# KiCad board RoRo80.kicad_pcb
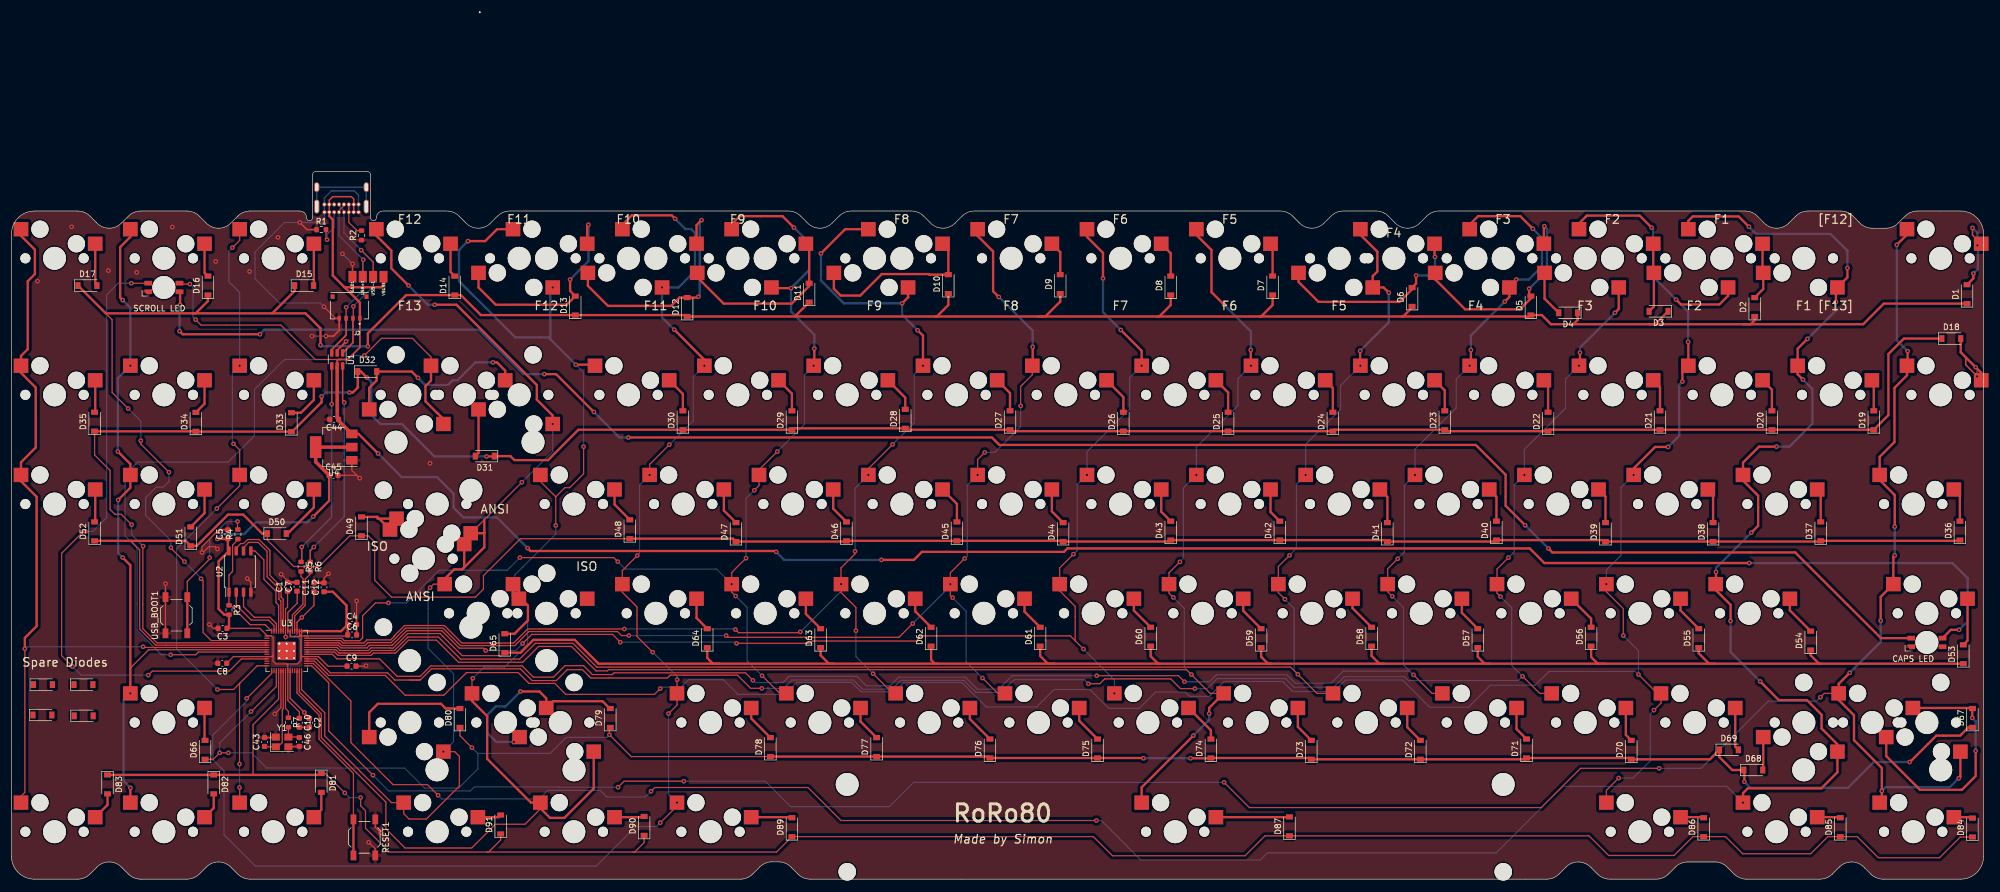
[diagram p0: board, top side]
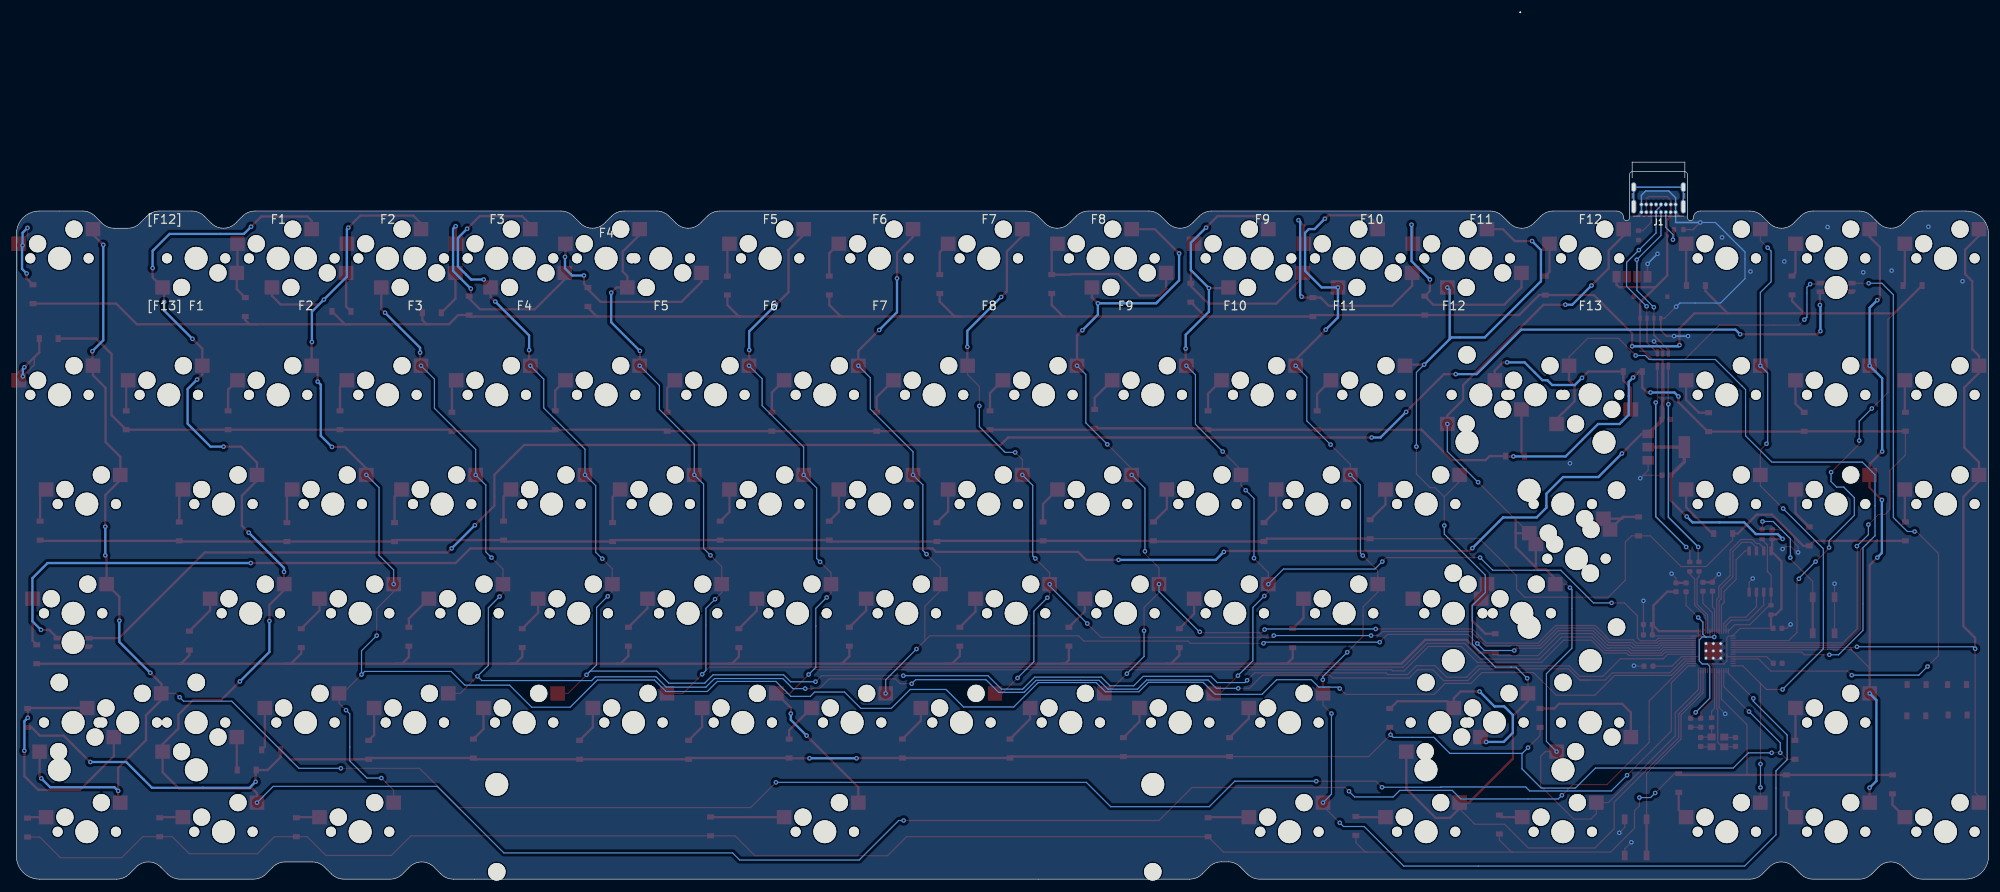
[diagram p1: board, bottom side, seen from below]

Outline 343.61 x 123.43 mm; copper layers: Top, Bottom. Coordinates in mm from the lower left corner of the outline.
Outline path: 0,112.53 arc(1.17,115.36) 4,116.53 11.52,116.53 arc(12.7,116.3) 13.69,115.63 14.76,114.56 arc(16.93,113.53) 19.16,114.43 20.37,115.63 arc(21.36,116.3) 22.54,116.53 30.57,116.53 arc(31.75,116.3) 32.74,115.63 33.81,114.56 arc(35.98,113.53) 38.21,114.43 39.42,115.63 arc(40.41,116.3) 41.59,116.53 50.22,116.53 arc(51.07,116.18) 51.43,115.33 arc(51.93,114.83) 52.43,115.33 52.43,122.82 arc(52.6,123.25) 53.04,123.43 61.98,123.43 arc(62.4,123.26) 62.57,122.84 62.57,115.33 arc(63.07,114.83) 63.57,115.33 arc(63.92,116.18) 64.78,116.53 75.83,116.53 arc(77.01,116.3) 78,115.63 79.07,114.56 arc(81.24,113.53) 83.47,114.43 84.68,115.63 arc(85.67,116.3) 86.85,116.53 135.35,116.53 arc(136.52,116.3) 137.52,115.63 138.59,114.56 arc(140.76,113.53) 142.99,114.43 144.19,115.63 arc(145.19,116.3) 146.36,116.53 156.78,116.53 arc(157.95,116.3) 158.95,115.63 160.02,114.56 arc(162.19,113.53) 164.42,114.43 165.63,115.63 arc(166.62,116.3) 167.79,116.53 221.06,116.53 arc(222.23,116.3) 223.23,115.63 224.3,114.56 arc(226.47,113.53) 228.7,114.43 229.91,115.63 arc(230.9,116.3) 232.07,116.53 237.74,116.53 arc(238.91,116.3) 239.91,115.63 240.98,114.56 arc(243.15,113.53) 245.38,114.43 246.59,115.63 arc(247.58,116.3) 248.76,116.53 302.04,116.53 arc(303.21,116.3) 304.2,115.63 305.27,114.56 arc(307.44,113.53) 309.68,114.43 310.88,115.63 arc(311.88,116.3) 313.05,116.53 318.71,116.53 arc(319.88,116.3) 320.88,115.63 321.91,114.6 arc(322.94,113.81) 324.21,113.53 326.59,113.53 arc(327.72,113.75) 328.68,114.39 329.93,115.63 arc(330.93,116.3) 332.1,116.53 336.11,116.53 339.61,116.53 arc(342.44,115.36) 343.61,112.53 343.61,4 arc(342.44,1.17) 339.61,0 326.12,0 arc(324.94,0.23) 323.95,0.9 322.88,1.97 arc(320.71,3) 318.48,2.11 317.27,0.9 arc(316.28,0.23) 315.1,0 302.31,0 arc(301.13,0.23) 300.14,0.9 299.07,1.97 arc(298.09,2.71) 296.9,3 292.06,3 arc(290.9,2.77) 289.92,2.11 288.72,0.9 arc(287.72,0.23) 286.55,0 278.5,0 arc(277.32,0.23) 276.33,0.9 275.26,1.97 arc(273.09,3) 270.86,2.11 269.65,0.9 arc(268.66,0.23) 267.48,0 263.85,0 259.09,0 165.49,0 139.18,0 arc(138.01,0.23) 137.02,0.9 135.93,1.99 arc(134.91,2.75) 133.67,3.02 132.51,3.02 arc(131.35,2.78) 130.37,2.12 129.14,0.9 arc(128.15,0.23) 126.98,0 41.58,0 arc(40.4,0.23) 39.41,0.9 38.34,1.97 arc(36.17,3) 33.94,2.11 32.73,0.9 arc(31.74,0.23) 30.56,0 22.53,0 arc(21.35,0.23) 20.36,0.9 19.29,1.97 arc(17.12,3) 14.89,2.11 13.68,0.9 arc(12.69,0.23) 11.51,0 4,0 arc(1.17,1.17) 0,4 0,112.53
Stack: Top 0.035mm / dielectric 1.51mm FR4 er 4.5 / Bottom 0.035mm

## Placement (name value [footprint] x y rotation side)
C1  100n  [C_0603_1608Metric]  48.1 51 90 top
C2  100n  [C_0603_1608Metric]  51.9 27.28 270 top
C3  100n  [C_0603_1608Metric]  36.78 43.75 180 top
C4  100n  [C_0603_1608Metric]  59.35 44.4 0 top
C5  100n  [C_0603_1608Metric]  37.7 60.15 90 top
C6  100n  [C_0603_1608Metric]  59.35 42.6 0 top
C7  100n  [C_0603_1608Metric]  49.75 51 90 top
C8  100n  [C_0603_1608Metric]  36.73 37.65 180 top
C9  100n  [C_0603_1608Metric]  59.25 37.15 0 top
C10  100n  [C_0603_1608Metric]  50.15 27.28 270 top
C11  1u  [C_0603_1608Metric]  52.7 50.9 90 top
C12  1u  [C_0603_1608Metric]  54.45 50.9 90 top
C43  22p  [C_0603_1608Metric]  44.1 23.93 90 top
C44  22u  [C_0603_1608Metric]  56.22 80.19 180 top
C45  22u  [C_0603_1608Metric]  56.12 70.44 0 top
C46  22p  [C_0603_1608Metric]  50.15 23.93 270 top
D1  1N4148  [D_SOD-123]  340.73 102.03 90 top
D2  1N4148  [D_SOD-123]  303.73 99.78 90 top
D3  1N4148  [D_SOD-123]  286.98 99.03 180 top
D4  1N4148  [D_SOD-123]  271.23 98.78 180 top
D5  1N4148  [D_SOD-123]  264.73 100.03 90 top
D6  1N4148  [D_SOD-123]  244.04 101.53 90 top
D7  1N4148  [D_SOD-123]  219.73 103.53 90 top
D8  1N4148  [D_SOD-123]  201.98 103.53 90 top
D9  1N4148  [D_SOD-123]  182.73 103.78 90 top
D10  1N4148  [D_SOD-123]  163.23 103.78 90 top
D11  1N4148  [D_SOD-123]  138.98 102.28 90 top
D12  1N4148  [D_SOD-123]  117.73 99.78 90 top
D13  1N4148  [D_SOD-123]  98.23 100.03 90 top
D14  1N4148  [D_SOD-123]  77.23 103.52 90 top
D15  1N4148  [D_SOD-123]  50.98 103.53 0 top
D16  1N4148  [D_SOD-123]  34.23 103.53 90 top
D17  1N4148  [D_SOD-123]  13.23 103.53 0 top
D18  1N4148  [D_SOD-123]  337.98 94.28 0 top
D19  1N4148  [D_SOD-123]  324.48 80.03 90 top
D20  1N4148  [D_SOD-123]  306.73 80.03 90 top
D21  1N4148  [D_SOD-123]  287.23 80.03 90 top
D22  1N4148  [D_SOD-123]  267.73 79.78 90 top
D23  1N4148  [D_SOD-123]  249.73 80.03 90 top
D24  1N4148  [D_SOD-123]  230.23 79.78 90 top
D25  1N4148  [D_SOD-123]  211.98 79.78 90 top
D26  1N4148  [D_SOD-123]  193.73 79.78 90 top
D27  1N4148  [D_SOD-123]  173.98 80.03 90 top
D28  1N4148  [D_SOD-123]  155.73 80.28 90 top
D29  1N4148  [D_SOD-123]  135.98 80.03 90 top
D30  1N4148  [D_SOD-123]  116.98 80.03 90 top
D31  1N4148  [D_SOD-123]  82.48 73.78 180 top
D32  1N4148  [D_SOD-123]  61.98 88.53 0 top
D33  1N4148  [D_SOD-123]  48.78 79.71 90 top
D34  1N4148  [D_SOD-123]  32.13 79.76 90 top
D35  1N4148  [D_SOD-123]  14.48 79.78 90 top
D36  1N4148  [D_SOD-123]  339.48 60.78 90 top
D37  1N4148  [D_SOD-123]  315.23 60.66 90 top
D38  1N4148  [D_SOD-123]  296.48 60.53 90 top
D39  1N4148  [D_SOD-123]  277.73 60.53 90 top
D40  1N4148  [D_SOD-123]  258.73 60.78 90 top
D41  1N4148  [D_SOD-123]  239.73 60.53 90 top
D42  1N4148  [D_SOD-123]  220.98 60.78 90 top
D43  1N4148  [D_SOD-123]  201.98 60.78 90 top
D44  1N4148  [D_SOD-123]  183.23 60.53 90 top
D45  1N4148  [D_SOD-123]  164.73 60.66 90 top
D46  1N4148  [D_SOD-123]  145.48 60.66 90 top
D47  1N4148  [D_SOD-123]  126.23 60.53 90 top
D48  1N4148  [D_SOD-123]  107.73 61.03 90 top
D49  1N4148  [D_SOD-123]  60.98 61.53 90 top
D50  1N4148  [D_SOD-123]  46.23 60.28 0 top
D51  1N4148  [D_SOD-123]  31.23 59.78 90 top
D52  1N4148  [D_SOD-123]  14.48 60.66 90 top
D53  1N4148  [D_SOD-123]  340.08 39.23 90 top
D54  1N4148  [D_SOD-123]  313.48 41.61 90 top
D55  1N4148  [D_SOD-123]  293.98 42.03 90 top
D56  1N4148  [D_SOD-123]  275.23 42.28 90 top
D57  1N4148  [D_SOD-123]  255.48 42.03 90 top
D58  1N4148  [D_SOD-123]  236.98 42.28 90 top
D59  1N4148  [D_SOD-123]  217.73 42.03 90 top
D60  1N4148  [D_SOD-123]  198.48 42.28 90 top
D61  1N4148  [D_SOD-123]  179.23 42.28 90 top
D62  1N4148  [D_SOD-123]  160.23 42.28 90 top
D63  1N4148  [D_SOD-123]  140.98 42.03 90 top
D64  1N4148  [D_SOD-123]  121.23 42.03 90 top
D65  1N4148  [D_SOD-123]  85.95 41.15 90 top
D66  1N4148  [D_SOD-123]  33.73 22.56 90 top
D67  1N4148  [D_SOD-123]  341.67 28.11 90 top
D68  1N4148  [D_SOD-123]  303.48 19.03 0 top
D69  1N4148  [D_SOD-123]  299.23 22.56 0 top
D70  1N4148  [D_SOD-123]  282.23 22.56 90 top
D71  1N4148  [D_SOD-123]  263.98 22.78 90 top
D72  1N4148  [D_SOD-123]  245.48 22.56 90 top
D73  1N4148  [D_SOD-123]  226.48 22.56 90 top
D74  1N4148  [D_SOD-123]  208.98 22.78 90 top
D75  1N4148  [D_SOD-123]  189.23 22.78 90 top
D76  1N4148  [D_SOD-123]  170.48 22.78 90 top
D77  1N4148  [D_SOD-123]  150.73 23.03 90 top
D78  1N4148  [D_SOD-123]  132.23 23.03 90 top
D79  1N4148  [D_SOD-123]  104.34 28.11 90 top
D80  1N4148  [D_SOD-123]  78.14 28.11 90 top
D81  1N4148  [D_SOD-123]  53.98 16.78 270 top
D82  1N4148  [D_SOD-123]  35.23 16.53 270 top
D83  1N4148  [D_SOD-123]  16.73 16.53 270 top
D84  1N4148  [D_SOD-123]  341.67 9 90 top
D85  1N4148  [D_SOD-123]  318.65 9.06 90 top
D86  1N4148  [D_SOD-123]  294.84 9.06 90 top
D87  1N4148  [D_SOD-123]  222.68 9.21 90 top
D88  1N4148  [D_SOD-123]  5.48 33.93 0 top
D89  1N4148  [D_SOD-123]  135.98 9.06 90 top
D90  1N4148  [D_SOD-123]  110.23 9.28 90 top
D91  1N4148  [D_SOD-123]  85.23 9.53 90 top
D92  1N4148  [D_SOD-123]  12.58 28.48 0 top
D93  1N4148  [D_SOD-123]  12.53 33.93 0 top
D94  1N4148  [D_SOD-123]  5.38 28.63 0 top
GND1  MountingHole  [SMD]  61.95 115.23 90 top
J1  USB_C_Receptacle_USB2.0  [USB_C_Receptacle_GCT_USB4085]  54.53 116.33 0 bottom
J2  Molex  [MOLEX_0781710004]  58.9 97.82 180 top
LED1  MX_SK6812MINI-E  [LED_MX_6028R_RUND]  333.73 41.29 0 top
LED2  MX_SK6812MINI-E  [LED_MX_6028R_RUND]  26.55 103.2 0 top
MX1  1u  [MXOnly-1U-Hotswap]  336.11 108.28 180 bottom
MX2  1u  [MXOnly-1U-Hotswap]  312.3 108.28 0 bottom
MX2#2  1u  [MXOnly-1U-Hotswap]  298.01 108.28 180 bottom
MX3  1u  [MXOnly-1U-Hotswap]  293.25 108.28 0 bottom
MX3#2  1u  [MXOnly-1U-Hotswap]  278.96 108.28 180 bottom
MX4  1u  [MXOnly-1U-Hotswap]  274.2 108.28 0 bottom
MX5  1u  [MXOnly-1U-Hotswap]  259.91 108.28 180 bottom
MX5#2  1u  [MXOnly-1U-Hotswap]  255.15 108.28 0 bottom
MX6  1u  [MXOnly-1U-Hotswap]  240.86 108.28 180 bottom
MX6#2  1u  [MXOnly-1U-Hotswap]  231.34 108.28 0 bottom
MX7  1u  [MXOnly-1U-Hotswap]  212.29 108.28 180 bottom
MX8  1u  [MXOnly-1U-Hotswap]  193.24 108.28 180 bottom
MX9  1u  [MXOnly-1U-Hotswap]  174.19 108.28 180 bottom
MX10  1u  [MXOnly-1U-Hotswap]  155.14 108.28 180 bottom
MX10#2  1u  [MXOnly-1U-Hotswap]  150.37 108.28 0 bottom
MX11  1u  [MXOnly-1U-Hotswap]  131.33 108.28 180 bottom
MX11#2  1u  [MXOnly-1U-Hotswap]  126.56 108.28 0 bottom
MX12  1u  [MXOnly-1U-Hotswap]  112.28 108.28 180 bottom
MX12#2  1u  [MXOnly-1U-Hotswap]  107.51 108.28 0 bottom
MX13  1u  [MXOnly-1U-Hotswap]  93.22 108.28 180 bottom
MX13#2  1u  [MXOnly-1U-Hotswap]  88.46 108.28 0 bottom
MX14  1u  [MXOnly-1U-Hotswap]  69.41 108.28 180 bottom
MX15  1u  [MXOnly-1U-Hotswap]  45.6 108.28 180 bottom
MX16  1u  [MXOnly-1U-Hotswap]  26.55 108.28 180 bottom
MX17  1u  [MXOnly-1U-Hotswap]  7.5 108.28 180 bottom
MX18  1u  [MXOnly-1U-Hotswap]  336.11 84.47 180 bottom
MX19  1u  [MXOnly-1U-Hotswap]  317.06 84.47 180 bottom
MX20  1u  [MXOnly-1U-Hotswap]  298.01 84.47 180 bottom
MX21  1u  [MXOnly-1U-Hotswap]  278.96 84.47 180 bottom
MX22  1u  [MXOnly-1U-Hotswap]  259.91 84.47 180 bottom
MX23  1u  [MXOnly-1U-Hotswap]  240.86 84.47 180 bottom
MX24  1u  [MXOnly-1U-Hotswap]  221.81 84.47 180 bottom
MX25  1u  [MXOnly-1U-Hotswap]  202.76 84.47 180 bottom
MX26  1u  [MXOnly-1U-Hotswap]  183.71 84.47 180 bottom
MX27  1u  [MXOnly-1U-Hotswap]  164.66 84.47 180 bottom
MX28  1u  [MXOnly-1U-Hotswap]  145.61 84.47 180 bottom
MX29  1u  [MXOnly-1U-Hotswap]  126.56 84.47 180 bottom
MX30  1u  [MXOnly-1U-Hotswap]  107.51 84.47 180 bottom
MX31  1u  [MXOnly-1U-Hotswap]  88.46 84.47 0 bottom
MX32  1u  [MXOnly-1U-Hotswap]  69.41 84.47 0 bottom
MX33  2u  [MXOnly-2U-Hotswap]  78.94 84.47 180 bottom
MX34  1u  [MXOnly-1U-Hotswap]  45.6 84.47 180 bottom
MX35  1u  [MXOnly-1U-Hotswap]  26.55 84.47 180 bottom
MX36  1u  [MXOnly-1U-Hotswap]  7.5 84.47 180 bottom
MX37  1u  [MXOnly-1U-Hotswap]  93.23 46.37 180 bottom
MX38  1.5u  [MXOnly-1.5U-Hotswap]  331.35 65.42 180 bottom
MX39  1u  [MXOnly-1U-Hotswap]  307.54 65.42 180 bottom
MX40  1u  [MXOnly-1U-Hotswap]  288.49 65.42 180 bottom
MX41  1u  [MXOnly-1U-Hotswap]  269.44 65.42 180 bottom
MX42  1u  [MXOnly-1U-Hotswap]  250.39 65.42 180 bottom
MX43  1u  [MXOnly-1U-Hotswap]  231.34 65.42 180 bottom
MX44  1u  [MXOnly-1U-Hotswap]  212.29 65.42 180 bottom
MX45  1u  [MXOnly-1U-Hotswap]  193.24 65.42 180 bottom
MX46  1u  [MXOnly-1U-Hotswap]  174.19 65.42 180 bottom
MX47  1u  [MXOnly-1U-Hotswap]  155.14 65.42 180 bottom
MX48  1u  [MXOnly-1U-Hotswap]  136.09 65.42 180 bottom
MX49  1u  [MXOnly-1U-Hotswap]  117.04 65.42 180 bottom
MX50  1u  [MXOnly-1U-Hotswap]  97.99 65.42 180 bottom
MX51  1.5u  [MXOnly-1.5U-Hotswap]  74.18 65.42 0 bottom
MX52  1u  [MXOnly-1U-Hotswap]  45.6 65.42 180 bottom
MX53  1u  [MXOnly-1U-Hotswap]  26.55 65.42 180 bottom
MX54  1u  [MXOnly-1U-Hotswap]  7.5 65.42 180 bottom
MX55  1.25u  [MXOnly-1.25U-Hotswap]  333.73 46.37 180 bottom
MX56  ISO_ENTER  [MXOnly-ISO-Hotswap-ReversedStabilizers]  71.79 55.9 180 bottom
MX58  1u  [MXOnly-1U-Hotswap]  302.78 46.37 180 bottom
MX59  1u  [MXOnly-1U-Hotswap]  283.73 46.37 180 bottom
MX60  1u  [MXOnly-1U-Hotswap]  264.68 46.37 180 bottom
MX61  1u  [MXOnly-1U-Hotswap]  245.63 46.37 180 bottom
MX62  1u  [MXOnly-1U-Hotswap]  226.58 46.37 180 bottom
MX63  1u  [MXOnly-1U-Hotswap]  207.53 46.37 180 bottom
MX64  1u  [MXOnly-1U-Hotswap]  188.48 46.37 180 bottom
MX65  1u  [MXOnly-1U-Hotswap]  169.43 46.37 180 bottom
MX66  1u  [MXOnly-1U-Hotswap]  150.38 46.37 180 bottom
MX67  1u  [MXOnly-1U-Hotswap]  131.33 46.37 180 bottom
MX68  1u  [MXOnly-1U-Hotswap]  112.28 46.37 180 bottom
MX69  2.25u  [MXOnly-2.25U-Hotswap]  81.32 46.37 180 bottom
MX70  1u  [MXOnly-1U-Hotswap]  26.55 27.32 180 bottom
MX71  1.25u  [MXOnly-1.25U-Hotswap]  333.73 27.32 0 bottom
MX72  2.25u  [MXOnly-2.25U-Hotswap]  324.21 27.32 180 bottom
MX73  1u  [MXOnly-1U-Hotswap]  312.3 27.32 0 bottom
MX74  1u  [MXOnly-1U-Hotswap]  293.25 27.32 180 bottom
MX75  1u  [MXOnly-1U-Hotswap]  274.2 27.32 180 bottom
MX76  1u  [MXOnly-1U-Hotswap]  255.15 27.32 180 bottom
MX77  1u  [MXOnly-1U-Hotswap]  236.1 27.32 180 bottom
MX78  1u  [MXOnly-1U-Hotswap]  217.05 27.32 180 bottom
MX79  1u  [MXOnly-1U-Hotswap]  198 27.32 180 bottom
MX80  1u  [MXOnly-1U-Hotswap]  178.95 27.32 180 bottom
MX81  1u  [MXOnly-1U-Hotswap]  159.9 27.32 180 bottom
MX82  1u  [MXOnly-1U-Hotswap]  140.85 27.32 180 bottom
MX83  1u  [MXOnly-1U-Hotswap]  121.8 27.32 180 bottom
MX84  1.75u  [MXOnly-1.75U-Hotswap]  95.61 27.32 0 bottom
MX85  1u  [MXOnly-1U-Hotswap]  69.41 27.32 0 bottom
MX86  2.75u  [MXOnly-2.75U-Hotswap]  86.08 27.32 180 bottom
MX87  1u  [MXOnly-1U-Hotswap]  45.6 8.27 180 bottom
MX88  1u  [MXOnly-1U-Hotswap]  26.55 8.27 180 bottom
MX89  1u  [MXOnly-1U-Hotswap]  7.5 8.27 180 bottom
MX98  1.5u  [MXOnly-1.5U-Hotswap]  331.35 8.27 180 bottom
MX99  1u  [MXOnly-1U-Hotswap]  307.54 8.27 180 bottom
MX100  1.5u  [MXOnly-1.5U-Hotswap]  283.73 8.27 180 bottom
MX101  7u  [MXOnly-7U-Hotswap-ReversedStabilizers]  202.76 8.27 180 bottom
MX102  1.5u  [MXOnly-1.5U-Hotswap]  121.8 8.27 180 bottom
MX103  1u  [MXOnly-1U-Hotswap]  97.99 8.27 180 bottom
MX104  1.5u  [MXOnly-1.5U-Hotswap]  74.18 8.27 180 bottom
NOREF  -  [unnamed]  81.58 151.18 0 top
R1  5.1k  [R_0603_1608Metric]  53.98 113.28 0 top
R2  5.1k  [R_0603_1608Metric]  60.98 112.28 90 top
R3  DNP  [R_0603_1608Metric]  37.9 46.95 270 top
R4  1k  [R_0603_1608Metric]  39.45 60.15 90 top
R5  22  [R_0603_1608Metric]  50.45 54.5 270 top
R6  22  [R_0603_1608Metric]  52.05 54.5 270 top
R7  1k  [R_0603_1608Metric]  48.25 27.33 270 top
RESET1  RESET  [SW_SPST_TL3342]  61.48 7.28 270 top
U1  USBLC6-2SC6  [SOT-23-6]  56.75 90.65 270 top
U2  W25Q128JVS  [SOIC-8_5.23x5.23mm_P1.27mm]  39.8 53.65 90 top
U3  RP2040  [RP2040-QFN-56]  47.94 39.81 0 top
U4  AMS1117-3.3  [SOT-223-3_TabPin2]  56.15 75.35 180 top
USB+1  MountingHole  [SMD]  63.75 115.23 90 top
USB-1  MountingHole  [SMD]  65.55 115.23 90 top
USB_BOOT1  USB_BOOT  [SW_SPST_TL3342]  28.73 46.03 90 top
VBUS1  MountingHole  [SMD]  67.35 115.23 90 top
Y1  12MHz  [Crystal_SMD_3225-4Pin_3.2x2.5mm]  47.15 23.93 0 top

## Library data of the parts
C1-C10 = -: Description: Unpolarized capacitor; LCSC: C14663
C11 C12 = -: Description: Unpolarized capacitor; LCSC: C15849
C43 C46 = -: Description: Unpolarized capacitor; LCSC: C1653
C44 C45 = -: Description: Unpolarized capacitor; LCSC: C59461
D1-D94 = -: LCSC Part #: C81598
GND1 USB+1 USB-1 VBUS1 = -: Description: Mounting Hole without connection
J1 = -: Description: USB 2.0-only Type-C Receptacle connector
J2 = -: Description: Conn Wire to Board HDR 4 POS 1.2mm Solder ST Top Entry SMD Pico-EZmate™ T/R; Availability: In Stock; Check_prices: https://www.snapeda.com/parts/781710004/Molex/view-part/?ref=eda; MANUFACTURER: MOLEX; MAXIMUM_PACKAGE_HEIGHT: 1.52mm; MP: 781710004; PARTREV: G; Package: None; Price: None; STANDARD: Manufacturer Recommendations; SnapEDA_Link: https://www.snapeda.com/parts/781710004/Molex/view-part/?ref=snap
LED1 LED2 = -: Description: Reverse mount adressable LED (WS2812 protocol); Field4: 1
MX1 MX2 MX2#2 MX3 MX3#2 MX4 MX5 MX5#2 MX6 MX6#2 MX7-MX10 MX10#2 MX11 MX11#2 MX12 MX12#2 MX13 MX13#2 MX14-MX36 MX38-MX55 MX58-MX89 MX98-MX104 = -: LCSC: C5156480
R1 R2 = -: Description: Resistor; LCSC: C23186
R3 = -: Description: Resistor
R4 R7 = -: Description: Resistor; LCSC: C21190
R5 R6 = -: Description: Resistor; LCSC: C23345
RESET1 USB_BOOT1 = -: Description: Single Pole Single Throw (SPST) switch; LCSC: C318884
U1 = -: Description: Very low capacitance ESD protection diode, 2 data-line, SOT-23-6; LCSC: C558442
U2 = -: Description: 128Mb Serial Flash Memory, Standard/Dual/Quad SPI, SOIC-8; LCSC: C97521
U3 = -: LCSC: C2040
U4 = -: Description: 1A Low Dropout regulator, positive, 3.3V fixed output, SOT-223; LCSC: C6186
Y1 = -: Description: Four pin crystal, GND on pins 2 and 4, small symbol; LCSC: C518158; LCSCOLD: C93114

## Footprints (pads in the part's own frame, mm; a bottom-side part is the same pattern mirrored in y, then rotated)
C_0603_1608Metric
  rrect 0.9x0.95 smd: 1(-0.775,0) 2(0.775,0)
Crystal_SMD_3225-4Pin_3.2x2.5mm
  rect 1.4x1.2 smd: 1(-1.1,-0.85) 2(1.1,-0.85) 3(1.1,0.85) 4(-1.1,0.85)
D_SOD-123
  rect 0.9x1.2 smd: 1(-1.65,0) 2(1.65,0)
LED_MX_6028R_RUND
  round 3.988 hole 3.988 unplated: (0,0)
  rrect 1.35x0.82 smd: 1(2.725,0.75) 2(2.725,-0.75) 3(-2.725,0.75) 4(-2.725,-0.75)
MOLEX_0781710004
  rect 0.6x0.85 smd: 1(-1.8,0) 2(-0.6,0) 3(0.6,0) 4(1.8,0)
  rect 0.7x0.8 smd: S1(2.95,-3.775) S2(-2.95,-3.775)
MXOnly-1.5U-Hotswap
  round 1.75 hole 1.75 unplated: (-5.08,0) (5.08,0)
  round 3 hole 3 unplated: (-3.81,2.54) (2.54,5.08)
  round 3.988 hole 3.988 unplated: (0,0)
  rect 2.55x2.5 smd far side: 1(-7.085,2.54) 2(5.842,5.08)
MXOnly-1.25U-Hotswap
  round 1.75 hole 1.75 unplated: (-5.08,0) (5.08,0)
  round 3 hole 3 unplated: (-3.81,2.54) (2.54,5.08)
  round 3.988 hole 3.988 unplated: (0,0)
  rect 2.55x2.5 smd far side: 1(-7.085,2.54) 2(5.842,5.08)
MXOnly-1.75U-Hotswap
  round 1.75 hole 1.75 unplated: (-5.08,0) (5.08,0)
  round 3 hole 3 unplated: (-3.81,2.54) (2.54,5.08)
  round 3.988 hole 3.988 unplated: (0,0)
  rect 2.55x2.5 smd far side: 1(-7.085,2.54) 2(5.842,5.08)
MXOnly-1U-Hotswap
  round 1.75 hole 1.75 unplated: (-5.08,0) (5.08,0)
  round 3 hole 3 unplated: (-3.81,2.54) (2.54,5.08)
  round 3.988 hole 3.988 unplated: (0,0)
  rect 2.55x2.5 smd far side: 1(-7.085,2.54) 2(5.842,5.08)
MXOnly-2.25U-Hotswap
  round 3.988 hole 3.988 unplated: (-11.938,-8.255) (0,0) (11.938,-8.255)
  round 3.048 hole 3.048 unplated: (-11.938,6.985) (11.938,6.985)
  round 1.75 hole 1.75 unplated: (-5.08,0) (5.08,0)
  round 3 hole 3 unplated: (-3.81,2.54) (2.54,5.08)
  rect 2.55x2.5 smd far side: 1(-7.085,2.54) 2(5.842,5.08)
MXOnly-2.75U-Hotswap
  round 3.988 hole 3.988 unplated: (-11.938,-8.255) (0,0) (11.938,-8.255)
  round 3.048 hole 3.048 unplated: (-11.938,6.985) (11.938,6.985)
  round 1.75 hole 1.75 unplated: (-5.08,0) (5.08,0)
  round 3 hole 3 unplated: (-3.81,2.54) (2.54,5.08)
  rect 2.55x2.5 smd far side: 1(-7.085,2.54) 2(5.842,5.08)
MXOnly-2U-Hotswap
  round 3.988 hole 3.988 unplated: (-11.938,-8.255) (0,0) (11.938,-8.255)
  round 3.048 hole 3.048 unplated: (-11.938,6.985) (11.938,6.985)
  round 1.75 hole 1.75 unplated: (-5.08,0) (5.08,0)
  round 3 hole 3 unplated: (-3.81,2.54) (2.54,5.08)
  rect 2.55x2.5 smd far side: 1(-7.085,2.54) 2(5.842,5.08)
MXOnly-7U-Hotswap-ReversedStabilizers
  round 3.048 hole 3.048 unplated: (-57.15,-6.985) (57.15,-6.985)
  round 3.988 hole 3.988 unplated: (-57.15,8.255) (0,0) (57.15,8.255)
  round 1.75 hole 1.75 unplated: (-5.08,0) (5.08,0)
  round 3 hole 3 unplated: (-3.81,2.54) (2.54,5.08)
  rect 2.55x2.5 smd far side: 1(-7.085,2.54) 2(5.842,5.08)
MXOnly-ISO-Hotswap-ReversedStabilizers
  round 3.988 hole 3.988 unplated: (-8.255,-11.938) (-8.255,11.938) (0,0)
  round 1.75 hole 1.75 unplated: (-5.08,0) (5.08,0)
  round 3 hole 3 unplated: (-3.81,2.54) (2.54,5.08)
  round 3.048 hole 3.048 unplated: (6.985,-11.938) (6.985,11.938)
  rect 2.55x2.5 smd far side: 1(-7.085,2.54) 2(5.842,5.08)
R_0603_1608Metric
  rrect 0.8x0.95 smd: 1(-0.825,0) 2(0.825,0)
RP2040-QFN-56
  rrect 1.084x1.084 smd: (-0.637,0.637) (-0.637,-0.637) (0.637,0.637) (0.637,-0.637)
  rrect 0.875x0.2 smd: 1(-3.438,2.6) 2(-3.438,2.2) 3(-3.438,1.8) 4(-3.438,1.4) 5(-3.438,1) 6(-3.438,0.6) 7(-3.438,0.2) 8(-3.438,-0.2) 9(-3.438,-0.6) 10(-3.438,-1) 11(-3.438,-1.4) 12(-3.438,-1.8) 13(-3.438,-2.2) 14(-3.438,-2.6) 29(3.438,-2.6) 30(3.438,-2.2) 31(3.438,-1.8) 32(3.438,-1.4) 33(3.438,-1) 34(3.438,-0.6) 35(3.438,-0.2) 36(3.438,0.2) 37(3.438,0.6) 38(3.438,1) 39(3.438,1.4) 40(3.438,1.8) 41(3.438,2.2) 42(3.438,2.6)
  rrect 0.2x0.875 smd: 15(-2.6,-3.438) 16(-2.2,-3.438) 17(-1.8,-3.438) 18(-1.4,-3.438) 19(-1,-3.438) 20(-0.6,-3.438) 21(-0.2,-3.438) 22(0.2,-3.438) 23(0.6,-3.438) 24(1,-3.438) 25(1.4,-3.438) 26(1.8,-3.438) 27(2.2,-3.438) 28(2.6,-3.438) 43(2.6,3.438) 44(2.2,3.438) 45(1.8,3.438) 46(1.4,3.438) 47(1,3.438) 48(0.6,3.438) 49(0.2,3.438) 50(-0.2,3.438) 51(-0.6,3.438) 52(-1,3.438) 53(-1.4,3.438) 54(-1.8,3.438) 55(-2.2,3.438) 56(-2.6,3.438)
  round 0.6 hole 0.35: 57(-1.275,1.275) 57(-1.275,0) 57(-1.275,-1.275) 57(0,1.275) 57(0,0) 57(0,-1.275) 57(1.275,1.275) 57(1.275,0) 57(1.275,-1.275)
  rrect 3.2x3.2 smd: 57(0,0)
SMD
  rect 2x1.4 smd: 1(-10.16,2.54)
SOIC-8_5.23x5.23mm_P1.27mm
  rrect 1.6x0.6 smd: 1(-3.6,1.905) 2(-3.6,0.635) 3(-3.6,-0.635) 4(-3.6,-1.905) 5(3.6,-1.905) 6(3.6,-0.635) 7(3.6,0.635) 8(3.6,1.905)
SOT-23-6
  rrect 1.325x0.6 smd: 1(-1.137,0.95) 2(-1.137,0) 3(-1.137,-0.95) 4(1.137,-0.95) 5(1.137,0) 6(1.137,0.95)
SOT-223-3_TabPin2
  rect 2x1.5 smd: 1(-3.15,2.3) 2(-3.15,0) 3(-3.15,-2.3)
  rect 2x3.8 smd: 2(3.15,0)
SW_SPST_TL3342
  rect 1.7x1 smd: 1(-3.15,1.9) 1(3.15,1.9) 2(-3.15,-1.9) 2(3.15,-1.9)
unnamed
  round 0.3 hole 0.4 unplated: (0,0)
USB_C_Receptacle_GCT_USB4085
  round 0.7 hole 0.4: A1(0,0) A4(0.85,0) A5(1.7,0) A6(2.55,0) A7(3.4,0) A8(4.25,0) A9(5.1,0) A12(5.95,0) B1(5.95,-1.35) B4(5.1,-1.35) B5(4.25,-1.35) B6(3.4,-1.35) B7(2.55,-1.35) B8(1.7,-1.35) B9(0.85,-1.35) B12(0,-1.35)
  oval 0.9x1.7 hole 0.6x1.4: S1(-1.35,-4.36) S1(7.3,-4.36)
  oval 0.9x2.4 hole 0.6x2.1: S1(-1.35,-0.98) S1(7.3,-0.98)
